# Altium PCB FIT_TDC_ADC.PcbDoc (part 7 of 10) (continued)
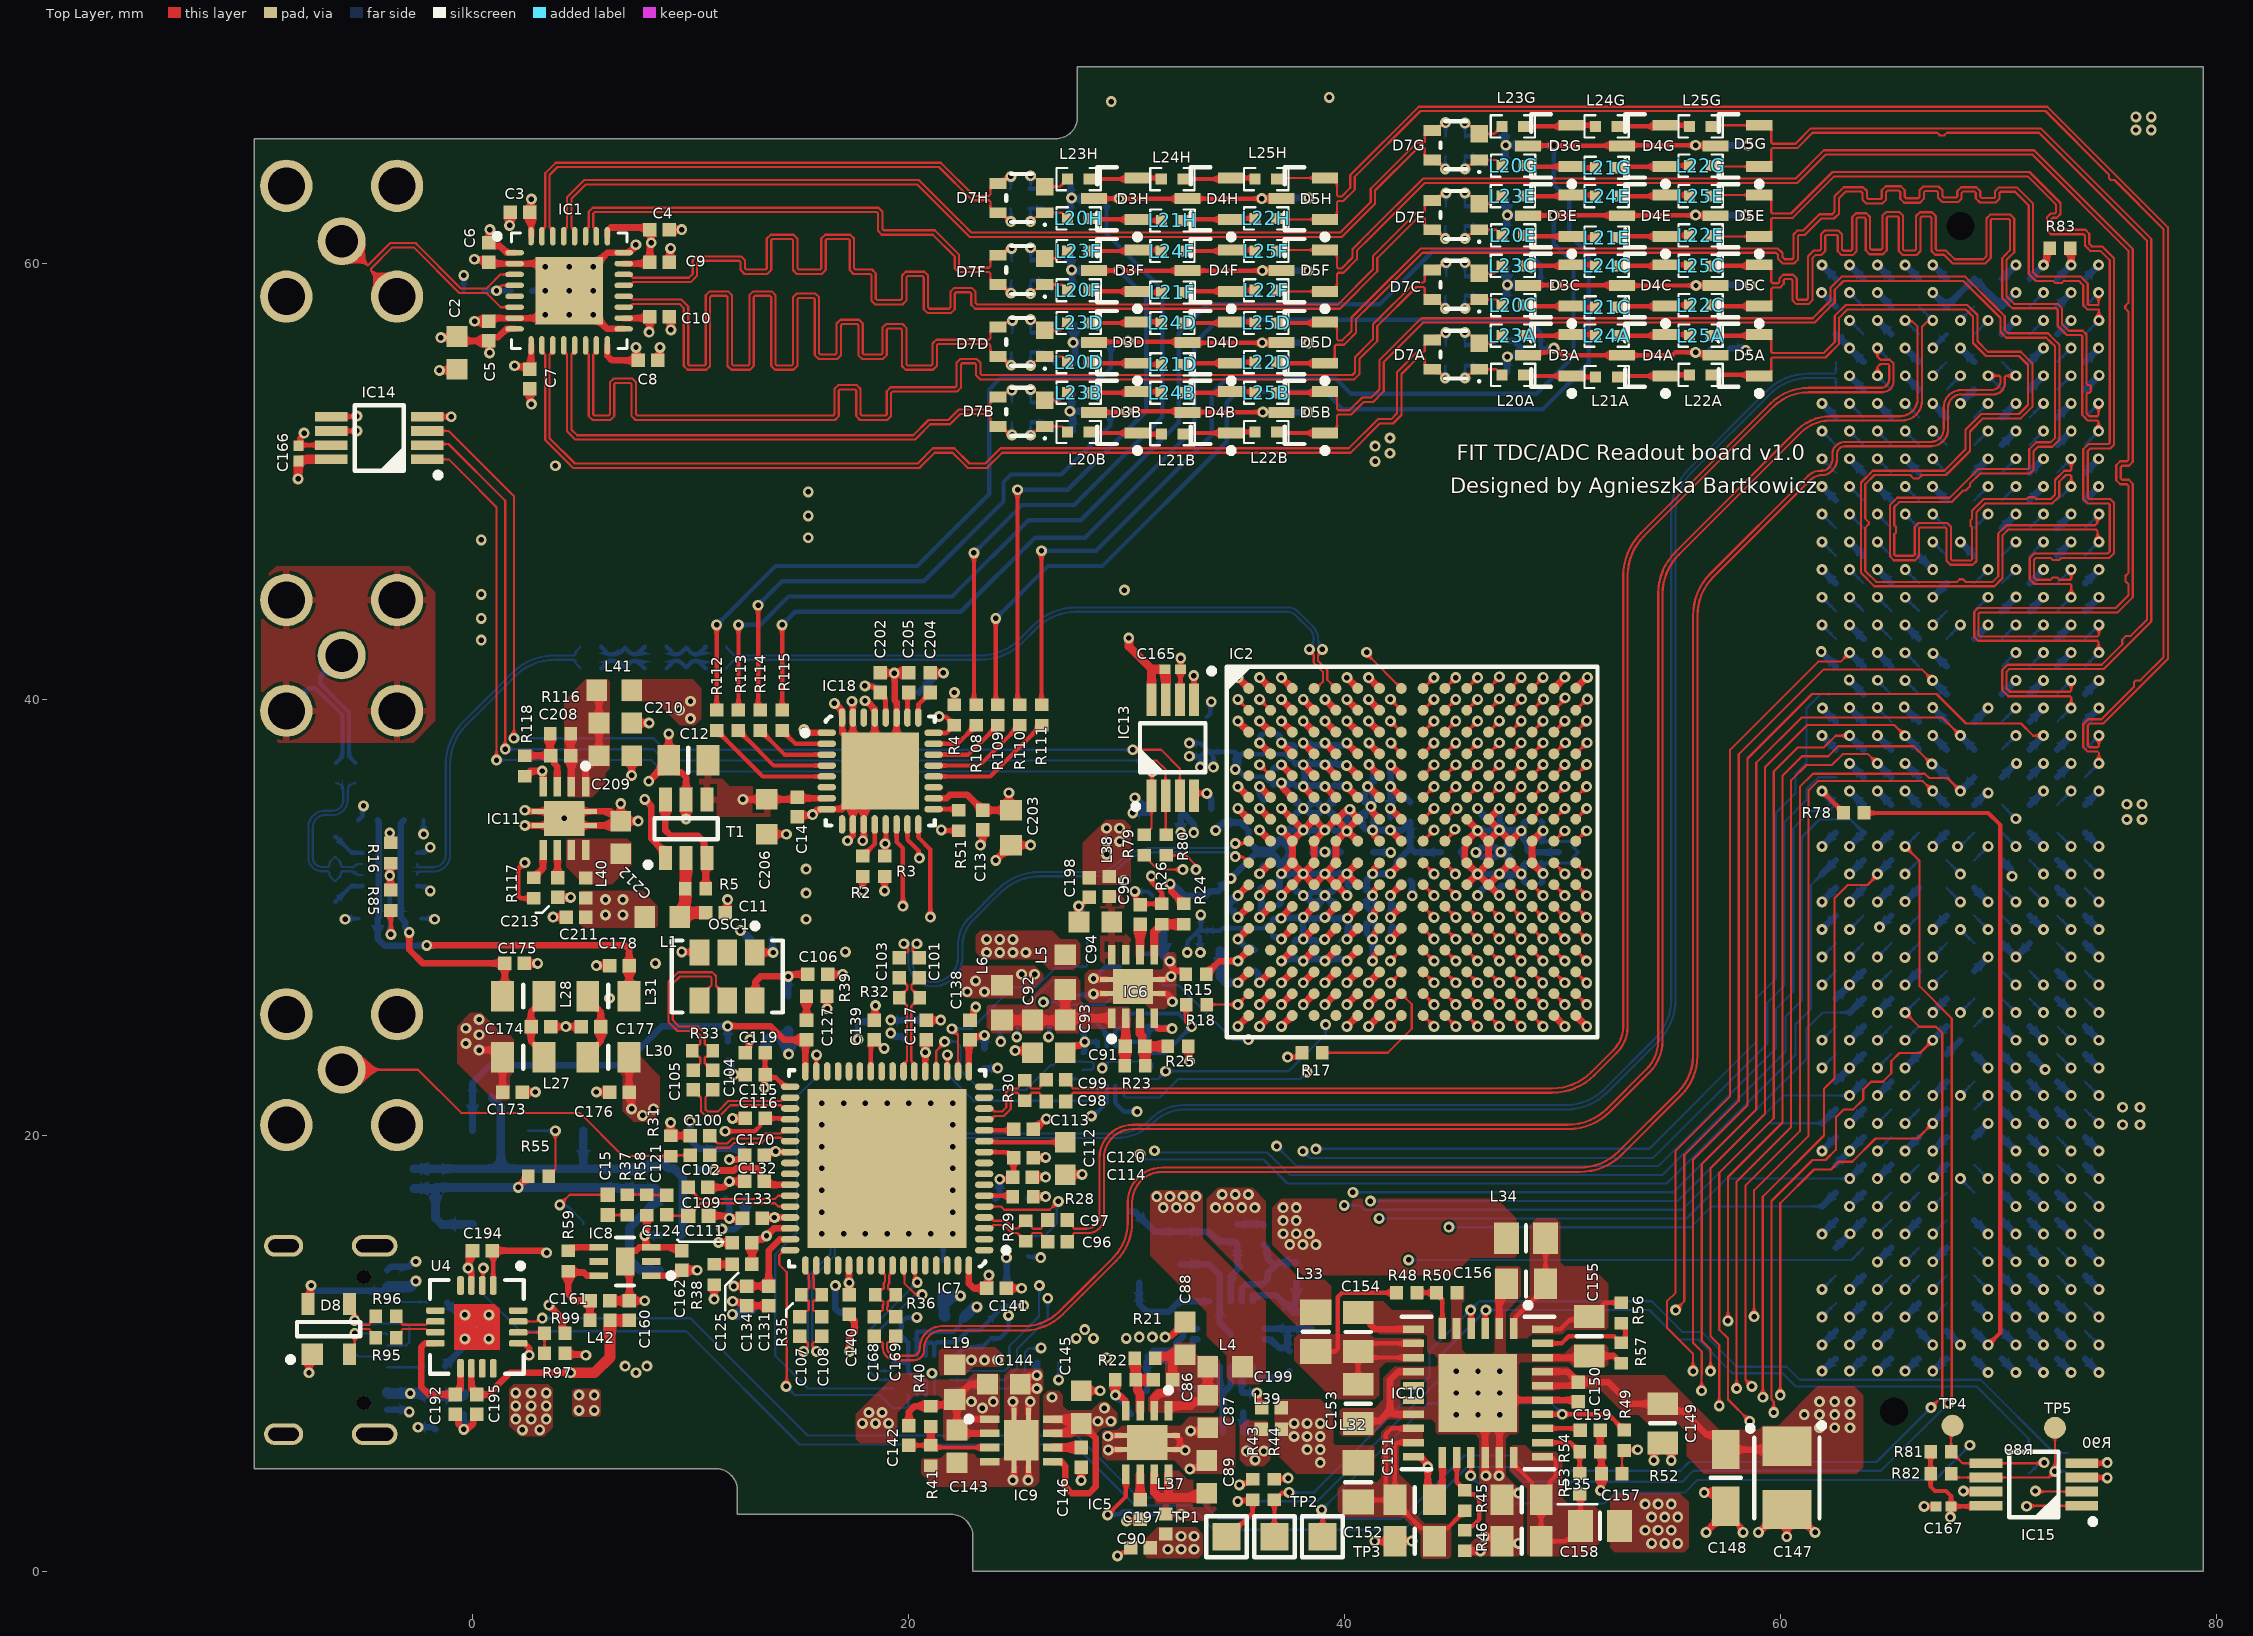
[diagram p0: Top Layer view]
## Nets (pads, with @x,y where several pads share a name; then routed paths per layer and width w, separated by ;. In a path a pad name is that pad's centre, name@x,y a point inside that pad or via, vN(x,y) a via of type N, cw(c..) or ccw(c..) an arc to the next point about the centre after c; other vN are vias at no path point) (continued)
  Bottom Layer w0.3: J5.A1-B12@-3.91,7.4 -3,7.4 v1(-2.9,7.3) ; J5.B1-A12@-3.91,13.8 -3.76,13.95 -2.95,13.95 -2.7,14.2 v1(-2.6,14.2) ; v1(-2.5,6.6) -1.8,6.6 C200.1@-1.7,6.5 ; R98.2@-1.26,9.4 -1.26,9.42 -0.388,10.292 -0.388,10.612 v3(-0.35,10.65) ; R100.2@-1.16,12.3 -1.16,12.28 -0.668,11.788 -0.388,11.788 v3(-0.35,11.75) ; v1(-0.4,6.5) C193.1@-0.4,7.2 ; R1.1@2.74,58.729 2.742,58.727 3.332,58.727 v3(3.335,58.724) ; v1(7.9,15.4) L26.2@8.64,15.4 ; v1@11.234,15.074 v1(11.285,15.074) ; C129.1@11.62,17.069 11.78,16.909 11.78,16.739 11.785,16.734 v1(11.785,16.174) ; C126.1@11.7,23.4 11.86,23.24 11.86,22.953 11.985,22.828 v1(11.985,22.774) ; v1@12.323,29.336 v1(12.285,29.374) 12.321,29.374 12.561,29.134 12.645,29.134 12.785,28.994 R34.1@12.785,28.974 ; v1(19.185,24.674) 19.33,24.529 19.66,24.529 C130.1@19.82,24.369 ; C201.1@20.5,40.3 20.5,40.325 20.825,40.65 20.85,40.65 21.362,41.162 21.562,41.162 v1(21.6,41.2) ; C118.2@25.485,17.074 25.585,17.174 v1(26.285,17.174) ; v1(25.885,8.974) 25.9,8.989 R93.1@25.9,9.559 ; R42H.1@27.4,62.2 27.425,62.225 27.425,62.872 27.48,62.927 v3(27.48,62.981) ; R47H.1@27.4,63.7 27.442,63.658 27.442,63.019 v3(27.48,62.981) ; R47F.1@27.44,60.5 27.44,59.775 27.48,59.735 v3(27.48,59.681) v3@27.5,59.661 ; R42F.1@27.5,58.8 v3@27.5,59.661 ; R42B.1@27.54,52.3 27.54,53.006 27.4,53.146 v3(27.4,53.2) ; R47B.1@27.54,54 27.481,53.941 27.481,53.335 27.4,53.254 v3(27.4,53.2) ; R47D.1@27.6,57.2 27.6,56.454 27.55,56.404 v1(27.55,56.35) ; R42D.1@27.64,55.4 27.64,56.206 27.55,56.296 v1(27.55,56.35) ; C188F.1@28.18,59.65 27.511,59.65 v3@27.5,59.661 ; C188H.1@28.18,62.95 27.511,62.95 v3(27.48,62.981) ; C188B.1@28.35,53.2 v3(27.4,53.2) ; C188D.1@28.384,56.387 28.347,56.35 v1(27.55,56.35) ; v1(29.485,8.074) 30.04,7.519 30.04,7.36 C196.1@30.2,7.2 ; v1(30.285,34.774) C63.1@31.085,34.774 v1(30.385,35.474) ; C24.1@30.935,8.274 30.935,9.609 30.985,9.659 L29.2@31.935,9.659 ; C185.1@30.985,24.974 31.112,24.847 31.112,24.886 31.145,24.919 32.05,24.919 v1(32.089,24.88) ; C22.1@32.485,14.074 C23.1@33.785,14.074 34.285,13.574 34.285,11.374 IC4.11@34.785,10.874 ; IC4.11@33.235,10.624 33.045,10.624 33.035,10.614 33.035,10.424 32.709,10.099 L29.2@32.174,10.099 ; IC4.11@33.235,11.124 32.761,11.124 32.585,10.949 32.585,10.75 32.409,10.574 32.385,10.574 32.285,10.474 32.285,10.209 L29.2@32.174,10.099 ; v1(33.685,35.674) 33.685,35.62 33.885,35.42 C62.1@33.885,34.974 ; v1(35.104,29.985) 35.104,30.039 34.703,30.44 C61.1@34.703,30.556 34.703,30.57 35.104,30.971 v1(35.104,30.985) ; IC4.2@35.285,9.374 35.285,8.224 C180.1@35.335,8.174 v1(35.985,8.174) ; R14.1@35.885,27.534 35.905,27.534 36.045,27.394 36.045,27.098 36.104,27.039 v1(36.104,26.985) ; v1@36.104,30.039 36.17,30.105 36.17,30.469 36.17,30.494 C45.1@36.245,30.569 ; v1(36.104,31.985) 36.104,32.039 36.22,32.155 36.22,32.294 36.295,32.369 C55.1@36.32,32.369 ; v1(36.104,35.985) 36.128,35.961 36.128,35.561 36.22,35.469 36.22,35.444 36.295,35.369 C51.1@36.32,35.369 ; C58.1@36.22,31.369 36.217,31.369 36.142,31.294 36.142,31.024 v1(36.104,30.985) 36.104,30.931 36.17,30.865 36.17,30.644 C45.1@36.245,30.569 ; C45.1@36.27,30.569 C45.1@36.245,30.569 ; IC4.11@36.335,10.624 36.525,10.624 36.535,10.614 36.622,10.614 37.002,10.234 37.325,10.234 C21.1@37.485,10.074 37.385,10.174 37.385,11.024 C25.1@37.485,11.124 ; IC4.11@36.335,11.124 C25.1@37.485,11.124 ; C34.1@36.72,29.169 36.72,29.144 36.795,29.069 36.966,29.069 37.05,28.985 v1(37.104,28.985) ; C43.1@36.72,36.769 36.72,36.794 36.795,36.869 36.934,36.869 37.05,36.985 v1(37.104,36.985) ; C20.1@36.92,38.369 36.945,38.369 37.02,38.294 37.02,38.123 37.104,38.039 v1(37.104,37.985) 37.158,37.985 37.274,37.869 37.645,37.869 37.72,37.794 C40.1@37.72,37.769 ; v1(37.104,27.985) 37.158,27.985 37.242,28.069 37.645,28.069 C36.1@37.72,28.144 ; C36.1@37.72,28.169 C36.1@37.72,28.144 ; C59.1@37.72,31.269 37.72,31.244 37.795,31.169 37.866,31.169 38.05,30.985 v1(38.104,30.985) ; C52.1@37.72,34.669 37.72,34.694 37.795,34.769 37.834,34.769 38.05,34.985 v1(38.104,34.985) ; C44.1@37.72,35.369 37.72,35.344 37.795,35.269 37.82,35.269 v1(38.104,34.985) ; C189B.1@37.758,53.15 37.765,53.157 38.323,53.157 v3(38.33,53.164) ; C189D.1@37.758,56.35 37.767,56.34 38.333,56.34 v3(38.343,56.331) ; C189F.1@37.758,59.639 37.76,59.642 38.329,59.642 v3(38.332,59.645) ; C189H.1@37.78,62.981 37.783,62.983 38.36,62.983 v3(38.362,62.985) ; v1(38.104,37.985) 38.142,37.947 38.442,37.947 38.52,37.869 38.545,37.869 C32.1@38.62,37.794 ; C181.1@38.485,11.124 C25.1@37.485,11.124 ; C60.1@38.52,32.969 38.528,32.977 39.091,32.977 v1(39.099,32.985) 39.804,32.985 C78.1@39.82,32.969 ; C41.1@38.62,30.569 C41.1@38.62,30.594 ; C57.1@38.62,31.269 C57.1@38.62,31.244 ; C49.1@38.62,34.669 C49.1@38.62,34.694 ; C39.1@38.62,35.369 C39.1@38.62,35.344 ; C32.1@38.62,37.769 C32.1@38.62,37.794 ; C33.1@38.72,28.169 C33.1@38.72,28.144 ; C42.1@39.52,30.569 39.52,30.594 39.445,30.669 39.415,30.669 v1(39.099,30.985) ; C54.1@39.52,31.269 39.52,31.244 39.445,31.169 39.291,31.169 39.107,30.985 v1(39.099,30.985) ; C46.1@39.52,34.669 39.52,34.694 39.445,34.769 39.369,34.769 39.153,34.985 v1(39.099,34.985) ; C35.1@39.52,35.369 39.52,35.344 39.445,35.269 39.383,35.269 v1(39.099,34.985) ; C37.1@39.62,37.769 C37.1@39.62,37.794 ; C30.1@39.72,28.169 C30.1@39.72,28.144 ; v1(40.104,27.985) 40.05,27.985 39.966,28.069 39.795,28.069 C30.1@39.72,28.144 ; v1(40.104,37.985) 40.05,37.985 39.934,37.869 39.695,37.869 C37.1@39.62,37.794 ; C31.1@40.82,35.569 C31.1@40.845,35.569 ; C38.1@40.92,29.569 C38.1@40.945,29.569 ; C56.1@40.92,30.569 C56.1@40.945,30.569 ; C53.1@40.92,31.369 C53.1@40.945,31.369 ; v1(41.121,36.989) 41.121,36.935 41.32,36.736 41.32,36.444 C84.1@41.395,36.369 ; v1(41.285,27.984) v1(41.285,28.984) ; C81.1@41.42,29.644 41.42,29.669 41.323,29.766 41.323,29.947 41.32,29.95 v1(41.285,29.985) ; C80.1@41.42,34.569 C80.1@41.398,34.569 ; C83.1@41.42,35.569 C83.1@41.395,35.569 ; C84.1@41.42,36.369 C84.1@41.395,36.369 ; C85.1@41.52,28.569 41.495,28.569 41.42,28.644 41.42,28.669 41.323,28.766 41.323,28.946 v1(41.285,28.984) ; C81.1@41.52,29.569 41.495,29.569 41.42,29.494 41.42,29.173 41.285,29.038 v1@41.285,28.995 ; C82.1@41.52,30.569 C82.1@41.495,30.569 ; C75.1@44.42,32.969 43.22,32.969 C77.1@43.02,33.169 ; v1(46.02,32.966) v1@46.074,32.966 ; v1(46.104,30.985) 46.104,31.039 46.32,31.255 46.32,31.294 46.395,31.369 C68.1@46.42,31.369 ; v1(46.104,34.985) 46.104,34.931 46.32,34.715 46.32,34.644 46.395,34.569 C73.1@46.42,34.569 ; C74.1@46.62,32.669 C74.1@46.62,32.694 ; C67.1@46.62,33.269 C67.1@46.62,33.244 ; R47A.1@47.34,56.6 47.34,56.58 47.48,56.44 47.76,56.44 C188A.1@48.1,56.1 47.738,55.738 47.508,55.738 v3(47.47,55.7) 47.455,55.685 47.455,55.015 R42A.1@47.44,55 ; R47G.1@47.34,66.2 47.34,65.514 47.4,65.454 v3(47.4,65.4) ; R42G.1@47.37,64.5 47.37,65.37 v3(47.4,65.4) ; v3@47.4,59.1 47.4,59.07 v3@47.44,59.03 ; R42C.1@47.44,58.2 47.44,58.97 v3(47.47,59) ; R47C.1@47.44,59.8 v3@47.44,59.03 ; R42E.1@47.44,61.4 47.44,62.17 v3(47.47,62.2) ; R47E.1@47.44,63 47.44,62.23 v3(47.47,62.2) ; C70.1@47.62,32.669 47.62,32.694 47.545,32.769 47.44,32.769 v1@47.224,32.985 ; C71.1@47.62,33.269 47.62,33.244 47.545,33.169 47.408,33.169 v1@47.224,32.985 ; C188C.1@48.1,59 v3(47.47,59) ; C188E.1@48.1,62.2 47.64,62.2 v3(47.47,62.2) ; C188G.1@48.1,65.4 v3(47.4,65.4) ; C65.1@49.02,31.569 49.066,31.615 49.066,31.951 v1(49.104,31.989) 49.066,32.028 49.066,32.424 C69.1@49.02,32.469 ; C72.1@49.02,33.469 49.066,33.515 49.066,33.921 v1(49.104,33.96) ; C66.1@49.02,34.369 49.066,34.324 49.066,33.998 v1@49.097,33.967 ; C189A.1@57.7,56.1 58.3,56.1 v3(58.4,56) ; C189C.1@57.7,59 v3(58.6,59) ; C189E.1@57.7,62.2 v3(58.4,62.2) ; C189G.1@57.7,65.4 v3(58.5,65.4) ; v1(61.866,42.173) 61.866,42.163 J4.k15@62.535,41.494 ; v1(61.885,58.639) 61.9,58.639 J4.k2@62.535,58.004 ; v1(61.9,10.379) J4.k39@62.535,11.014 ; v1(61.9,29.429) J4.k24@62.535,30.064 ; v1(61.9,33.239) J4.k21@62.535,33.874 ; v1(61.9,38.319) J4.k18@62.535,37.684 ; v1(61.9,45.939) J4.k12@62.535,45.304 ; v1(61.9,49.749) J4.k9@62.535,49.114 ; v1(61.9,53.559) J4.k6@62.535,52.924 ; J4.k36@62.535,14.824 63.183,15.472 v1(63.193,15.472) 63.193,15.482 J4.j35@63.805,16.094 ; J4.k33@62.535,18.634 v1(63.17,19.269) J4.j32@63.805,19.904 ; J4.k30@62.535,22.444 v1(63.17,23.079) J4.j29@63.805,23.714 ; J4.k27@62.535,26.254 v1(63.17,26.889) J4.j26@63.805,27.524 ; J4.k3@62.535,56.734 v1(63.17,56.099) J4.j4@63.805,55.464 ; v1(63.17,9.174) 63.202,9.174 63.772,9.744 J4.j40@63.805,9.744 ; v1(63.17,11.649) J4.j38@63.805,12.284 ; v1(63.17,30.699) J4.j23@63.805,31.334 ; v1(63.17,35.779) J4.j20@63.805,35.144 ; v1(63.17,39.609) 63.17,39.589 J4.j17@63.805,38.954 ; v1(63.17,43.399) J4.j14@63.805,42.764 ; v1(63.17,47.209) J4.j11@63.805,46.574 ; v1(63.17,51.019) J4.j8@63.805,50.384 ; v1(63.17,54.829) J4.j5@63.805,54.194 ; v1(63.17,59.909) J4.j1@63.805,59.274 ; v1(64.437,14.186) J4.h36@65.075,14.824 ; v1(64.44,10.379) J4.h39@65.075,11.014 ; v1(64.44,17.999) J4.h33@65.075,18.634 ; v1(64.44,21.809) J4.h30@65.075,22.444 ; v1(64.44,25.619) J4.h27@65.075,26.254 ; v1(64.44,33.251) 64.452,33.251 J4.h21@65.075,33.874 ; v1(64.44,38.319) J4.h18@65.075,37.684 ; v1(64.44,42.129) J4.h15@65.075,41.494 ; v1(64.44,45.939) J4.h12@65.075,45.304 ; v1(64.44,49.749) J4.h9@65.075,49.114 ; v1(64.44,53.559) J4.h6@65.075,52.924 ; v1(64.44,57.369) J4.h3@65.075,56.734 ; v1(64.536,29.542) 64.552,29.542 J4.h24@65.075,30.064 ; v1(65.673,39.631) 65.673,39.626 J4.g17@66.345,38.954 ; v1(65.71,9.174) 65.742,9.174 66.312,9.744 J4.g40@66.345,9.744 ; v1(65.71,11.649) J4.g38@66.345,12.284 ; v1(65.71,15.459) J4.g35@66.345,16.094 ; v1(65.71,19.269) J4.g32@66.345,19.904 ; v1(65.71,23.079) J4.g29@66.345,23.714 ; v1(65.71,26.889) J4.g26@66.345,27.524 ; v1(65.71,35.779) J4.g20@66.345,35.144 ; v1(65.71,43.399) J4.g14@66.345,42.764 ; v1(65.71,56.099) J4.g4@66.345,55.464 ; v1(65.71,59.909) J4.g1@66.345,59.274 ; v1(65.712,30.71) 65.721,30.71 J4.g23@66.345,31.334 ; v1(65.72,51.019) 65.72,51.009 J4.g8@66.345,50.384 ; v1(65.72,54.829) 65.72,54.819 J4.g5@66.345,54.194 ; J4.g11@66.345,46.574 v1(66.98,45.939) ; v1(66.977,49.746) 66.983,49.746 J4.f9@67.615,49.114 ; v1(66.98,14.189) J4.f36@67.615,14.824 ; v1(66.98,21.809) J4.f30@67.615,22.444 ; v1(66.98,25.619) J4.f27@67.615,26.254 ; v1(66.98,29.429) J4.f24@67.615,30.064 ; v1(66.98,33.239) J4.f21@67.615,33.874 ; v1(66.98,38.319) J4.f18@67.615,37.684 ; v1(66.98,44.669) J4.f12@67.615,45.304 ; v1(66.98,53.559) J4.f6@67.615,52.924 ; v1(66.98,58.639) J4.f2@67.615,58.004 J4.e1@68.885,59.274 J4.d2@70.155,58.004 v1(70.79,58.639) ; v1(66.999,42.098) 67.011,42.098 J4.f15@67.615,41.494 ; v1(67.013,18.054) 67.034,18.054 J4.f33@67.615,18.634 ; J4.f39@67.615,11.014 v1(68.25,10.379) ; v1(68.25,47.209) J4.e11@68.885,46.574 ; v1(68.25,53.559) J4.e5@68.885,54.194 ; v1(68.25,56.099) J4.e4@68.885,55.464 ; J4.e40@68.885,9.744 v1(69.52,9.109) ; J4.e38@68.885,12.284 v1(69.504,11.665) ; J4.e35@68.885,16.094 v1(69.52,15.459) ; J4.e32@68.885,19.904 v1(69.52,20.539) ; J4.e29@68.885,23.714 v1(69.52,23.079) ; J4.e26@68.885,27.524 v1(69.52,28.159) ; J4.e23@68.885,31.334 v1(69.52,30.699) ; J4.e20@68.885,35.144 69.394,35.654 69.482,35.654 v1(69.52,35.692) ; J4.e17@68.885,38.954 v1(69.52,39.589) ; J4.e14@68.885,42.764 v1(69.52,43.399) ; J4.e8@68.885,50.384 v1(69.52,51.019) ; J4.d39@70.155,11.014 v1(70.79,10.379) ; J4.d37@70.155,13.554 v1(70.79,12.919) ; J4.d28@70.155,24.984 v1(70.79,24.349) ; J4.d25@70.155,28.794 v1(70.79,28.159) J4.c25@71.425,28.794 ; J4.d22@70.155,32.604 70.582,32.178 70.582,31.908 v1(70.62,31.869) ; J4.d19@70.155,36.414 70.79,37.049 v1(70.82,37.049) ; J4.d16@70.155,40.224 v1(70.79,40.859) ; J4.d13@70.155,44.034 70.792,44.671 v1(70.802,44.671) ; J4.d10@70.155,47.844 v1(70.79,48.479) ; J4.d7@70.155,51.654 v1(70.79,52.289) ; J4.d6@70.155,52.924 v1(70.79,53.559) ; J4.d3@70.155,56.734 v1(70.79,57.369) ; J4.c40@71.425,9.744 v1(72.06,9.109) ; J4.c38@71.425,12.284 v1(72.06,11.649) ; J4.c36@71.425,14.824 v1(72.06,14.189) ; J4.c33@71.425,18.634 72.06,17.999 v1(72.061,17.999) ; J4.c32@71.425,19.904 72.06,19.269 v1(72.061,19.269) ; J4.c29@71.425,23.714 72.131,23.008 v1(72.133,23.008) ; J4.c28@71.425,24.984 v1(72.047,24.362) ; J4.c24@71.425,30.064 v1(72.06,29.429) ; J4.c21@71.425,33.874 v1(72.06,33.239) ; J4.c20@71.425,35.144 v1(72.06,35.779) ; J4.c17@71.425,38.954 v1(72.06,39.589) ; J4.c16@71.425,40.224 v1(72.06,40.859) ; J4.c13@71.425,44.034 v1(72.06,44.669) ; J4.c12@71.425,45.304 v1(72.06,45.939) ; J4.c9@71.425,49.114 v1(72.06,49.749) ; J4.c8@71.425,50.384 v1(72.06,51.019) ; J4.c5@71.425,54.194 v1(72.06,54.829) ; J4.c4@71.425,55.464 v1(72.06,56.099) ; J4.c1@71.425,59.274 v1(72.06,59.909) ; J4.b39@72.695,11.014 v1(73.33,10.379) ; J4.b38@72.695,12.284 v1(73.33,11.649) ; J4.b35@72.695,16.094 v1(73.33,15.459) ; J4.b34@72.695,17.364 v1(73.33,16.729) ; J4.b31@72.695,21.174 v1(73.33,20.539) ; J4.b30@72.695,22.444 v1(73.33,21.809) ; J4.b27@72.695,26.254 v1(73.33,25.619) ; J4.b26@72.695,27.524 v1(73.33,26.889) ; J4.b23@72.695,31.334 v1(73.33,30.699) ; J4.b22@72.695,32.604 v1(73.33,31.969) ; J4.b19@72.695,36.414 v1(73.33,37.049) ; J4.b18@72.695,37.684 v1(73.33,38.319) ; J4.b15@72.695,41.494 v1(73.33,42.129) ; J4.b14@72.695,42.764 v1(73.33,43.399) ; J4.b11@72.695,46.574 v1(73.33,47.209) ; J4.b10@72.695,47.844 v1(73.33,48.479) ; J4.b7@72.695,51.654 v1(73.333,52.292) ; J4.b6@72.695,52.924 v1(73.33,53.559) ; J4.b3@72.695,56.734 v1(73.33,57.369) ; J4.b2@72.695,58.004 v1(73.33,58.639) ; J4.a40@73.965,9.744 v1(74.6,9.109) ; J4.a37@73.965,13.554 v1(74.6,12.919) ; J4.a36@73.965,14.824 v1(74.6,14.189) ; J4.a33@73.965,18.634 v1(74.6,17.999) ; J4.a32@73.965,19.904 v1(74.6,19.269) ; J4.a29@73.965,23.714 v1(74.6,23.079) ; J4.a28@73.965,24.984 v1(74.6,24.349) ; J4.a25@73.965,28.794 v1(74.6,28.159) ; J4.a24@73.965,30.064 v1(74.6,29.429) ; J4.a21@73.965,33.874 v1(74.6,33.239) ; J4.a20@73.965,35.144 v1(74.6,35.779) ; J4.a17@73.965,38.954 v1(74.6,39.589) ; J4.a16@73.965,40.224 v1(74.6,40.859) ; J4.a13@73.965,44.034 v1(74.6,44.669) ; J4.a12@73.965,45.304 v1(74.6,45.939) ; J4.a9@73.965,49.114 74.585,49.734 v1(74.585,49.749) ; J4.a8@73.965,50.384 74.585,51.004 v1(74.585,51.019) ; J4.a5@73.965,54.194 73.965,54.197 74.614,54.846 v1(74.614,54.848) ; J4.a4@73.965,55.464 74.585,56.084 v1(74.585,56.099) ; J4.a1@73.965,59.274 74.585,59.894 v1(74.585,59.909) ; L29.2@32.174,10.099 31.224,10.099 L29.2@30.985,9.859 31.935,9.859 L29.2@32.174,10.099 ; C36.1@37.72,28.144 37.795,28.069 37.966,28.069 38.05,27.985 v1(38.104,27.985) 38.158,27.985 38.242,28.069 38.645,28.069 C33.1@38.72,28.144 ; v1(38.104,30.985) 38.142,30.947 38.242,30.947 38.52,30.669 38.545,30.669 C41.1@38.62,30.594 ; v1(38.104,30.985) 38.142,31.024 38.374,31.024 38.52,31.169 38.545,31.169 C57.1@38.62,31.244 ; v1(38.104,34.985) 38.142,35.024 38.274,35.024 38.52,35.269 38.545,35.269 C39.1@38.62,35.344 ; v1(38.104,34.985) 38.158,34.985 38.374,34.769 38.545,34.769 C49.1@38.62,34.694 ; C41.1@38.62,30.594 38.695,30.669 38.783,30.669 v1(39.099,30.985) ; C57.1@38.62,31.244 38.695,31.169 38.861,31.169 39.045,30.985 v1(39.099,30.985) ; C49.1@38.62,34.694 38.695,34.769 38.848,34.769 39.064,34.985 v1(39.099,34.985) ; C39.1@38.62,35.344 38.695,35.269 38.72,35.269 38.966,35.024 39.06,35.024 v1(39.099,34.985) ; C32.1@38.62,37.794 38.695,37.869 38.934,37.869 39.05,37.985 v1(39.104,37.985) 39.158,37.985 39.274,37.869 39.545,37.869 C37.1@39.62,37.794 ; C33.1@38.72,28.144 38.795,28.069 38.961,28.069 39.045,27.985 v1(39.099,27.985) 39.153,27.985 39.237,28.069 39.645,28.069 C30.1@39.72,28.144 ; C31.1@40.845,35.569 40.92,35.644 40.92,35.669 41.02,35.769 41.02,35.947 v1(41.058,35.985) ; C31.1@40.845,35.569 40.92,35.494 40.92,35.35 v1(41.205,35.065) ; C38.1@40.945,29.569 41.02,29.494 41.02,29.26 v1@41.285,28.995 ; C38.1@40.945,29.569 41.02,29.644 41.02,29.669 41.285,29.934 v1(41.285,29.985) ; C56.1@40.945,30.569 41.02,30.644 41.02,30.71 41.285,30.975 v1(41.285,30.985) ; C56.1@40.945,30.569 41.02,30.494 41.02,30.469 41.247,30.243 41.247,30.024 v1(41.285,29.985) ; C53.1@40.945,31.369 41.02,31.294 41.02,31.261 41.285,30.996 v1(41.285,30.985) ; C53.1@40.945,31.369 41.02,31.444 41.02,31.71 41.285,31.975 v1(41.285,31.985) v1(42.104,31.985) 42.104,32.039 42.295,32.23 42.295,32.248 42.385,32.338 42.385,32.527 42.62,32.762 42.62,32.769 C77.1@43.02,33.169 ; v1(41.058,35.985) 41.058,35.999 41.32,36.261 41.32,36.294 C84.1@41.395,36.369 ; v1(41.058,35.985) 41.058,35.971 41.32,35.71 41.32,35.644 C83.1@41.395,35.569 ; v1(41.205,35.065) 41.205,35.07 41.32,35.184 41.32,35.494 C83.1@41.395,35.569 ; v1(41.205,35.065) 40.92,34.779 40.92,34.644 40.845,34.569 C48.1@40.82,34.569 40.82,34.161 40.957,34.024 41.247,34.024 v1(41.285,33.985) ; v1(41.205,35.065) 41.205,35.012 41.32,34.898 41.32,34.644 41.395,34.569 C80.1@41.398,34.569 ; v1(41.285,28.984) v1@41.285,28.995 ; v1(41.285,29.985) 41.323,30.024 41.323,30.373 41.42,30.469 41.42,30.494 C82.1@41.495,30.569 ; v1(41.285,30.985) 41.323,30.947 41.323,30.766 41.42,30.669 41.42,30.644 C82.1@41.495,30.569 ; v1(41.285,33.985) v1(42.104,33.985) 42.636,33.985 C79.1@43.02,34.369 C77.1@43.02,33.169 ; v1(41.285,33.985) 41.323,34.024 41.323,34.494 C80.1@41.398,34.569 ; v1@46.074,32.966 46.27,32.769 46.545,32.769 C74.1@46.62,32.694 ; v1@46.074,32.966 46.277,33.169 46.545,33.169 C67.1@46.62,33.244 ; C74.1@46.62,32.694 46.695,32.769 46.948,32.769 v1@47.164,32.985 ; C67.1@46.62,33.244 46.695,33.169 46.948,33.169 47.132,32.985 v1@47.164,32.985 ; v1@47.164,32.985 v1(47.169,32.985) v1@47.224,32.985 ; v3@47.44,59.03 v3(47.47,59)
  Bottom Layer w0.4: C26.1@31.685,29.274 31.685,28.274 v1(31.985,27.974) ; C29.1@34.285,28.474 34.285,27.274 34.574,26.985 v1(35.104,26.985)
  other v1: 45.12,7.169 46.12,7.169 47.12,7.169 45.12,8.169 46.12,8.169 47.12,8.169 45.12,9.169 46.12,9.169 47.12,9.169 29.985,10.674 30.585,10.734 31.185,10.734 16.02,15.469 17.02,15.469 18.02,15.469 19.02,15.469 20.02,15.469 21.02,15.469 16.02,16.469 22.02,16.469 16.02,17.469 22.02,17.469 16.02,18.469 22.02,18.469 16.02,19.469 22.02,19.469 16.02,20.469 22.02,20.469 16.02,21.469 17.02,21.469 18.02,21.469 19.02,21.469 20.02,21.469 21.02,21.469 22.02,21.469 6.285,26.274 8.385,27.874 17.1,28.4 15.3,29.9 15.3,31.1 15.3,32.2 0.4,42.7 0.4,43.7 0.4,44.8 0.4,47.3 15.4,47.4 15.4,48.4 15.4,49.5 3.8,50.7 29.3,67.4 39.3,67.6
  other v3: 0.75,10.65 0.75,11.75 4.435,57.624 4.435,58.724 5.535,58.724 4.435,59.824
GND_VXCO: C110.2 C122.1 C123.1 C128.1 C135.1 C136.1 L26.1 OSC2.3 | length 20.6
  Bottom Layer w0.4: C123.1@-2.7,18.45 1.3,18.45 ; C110.2@0.9,21.7 1.3,21.3 1.3,18.45 ; OSC2.3@5.08,20.2 5.08,18.47 5.1,18.45 ; L26.1@9.56,15.4 9.65,15.49 9.65,18.062 9.237,18.475 8.975,18.475 C128.1@8.7,18.75 8.51,18.56 7.81,18.56 C136.1@7.7,18.45 C135.1@6.7,18.45 5.1,18.45 ; 1.3,18.45 5.1,18.45
GTY_RX_CH_N1: D5A.1 J4.a11 L22A.2 | length 49
  Top Layer w0.1: D5A.1@59.02,54.819 59.37,54.819 59.57,55.019 59.57,55.611 59.628,55.669 62.063,55.669 62.685,56.291 62.685,57.491 63.068,57.874 68.485,57.874 68.829,57.53 68.829,56.33 69.426,55.733 70.933,55.733 71.348,55.318 71.348,53.486 70.937,53.074 69.202,53.074 69.085,52.957 68.602,52.474 68.485,52.357 68.485,51.457 67.502,50.474 64.227,50.474 64.11,50.357 63.802,50.049 63.685,49.932 63.685,45.789 64.299,45.174 68.232,45.174 68.485,45.174 69.808,45.174 69.925,45.291 70.068,45.434 70.185,45.552 70.185,47.516 70.443,47.774 74.469,47.774 74.542,47.701 74.542,47.668 74.542,47.267 v1(74.6,47.209)
  Top Layer w0.2: L22A.2@56.836,54.869 58.97,54.869 D5A.1@59.02,54.819
  Bottom Layer w0.1: J4.a11@73.965,46.574 v1(74.6,47.209)
GTY_RX_CH_N2: D5B.1 J4.b9 L22B.2 | length 73.7
  Top Layer w0.1: D5B.1@39.1,52.2 39.45,52.2 39.65,52.4 39.65,52.991 39.709,53.05 40.302,53.05 40.419,53.167 40.879,53.626 41.309,53.626 41.797,54.114 41.797,55.459 43.608,57.269 61.563,57.269 61.68,57.386 62.168,57.874 62.485,58.191 62.485,58.774 62.885,59.174 68.385,59.174 69.785,57.774 70.085,57.474 70.085,56.838 70.349,56.574 72.185,56.574 72.335,56.424 72.592,56.167 72.592,51.982 72.385,51.774 71.723,51.774 71.405,51.457 71.405,50.606 71.347,50.547 69.068,50.547 68.951,50.43 67.752,49.231 65.355,49.231 65.013,48.889 65.013,46.544 65.188,46.368 66.175,46.368 66.351,46.544 66.351,47.816 66.409,47.874 67.556,47.874 67.615,47.816 67.615,46.333 67.79,46.157 68.809,46.157 68.985,46.333 68.985,48.564 69.396,48.974 72.468,48.974 72.785,49.291 72.785,49.966 73.093,50.274 73.285,50.274 73.33,50.229 v1(73.33,49.749)
  Top Layer w0.2: L22B.2@36.916,52.25 36.966,52.2 D5B.1@39.1,52.2
  Bottom Layer w0.1: J4.b9@72.695,49.114 v1(73.33,49.749)
GTY_RX_CH_N3: D5C.1 J4.a7 L22C.2 | length 45.3
  Top Layer w0.1: D5C.1@59.02,58.019 59.37,58.019 59.57,58.219 59.57,58.811 59.628,58.869 59.885,58.869 59.969,58.869 60.145,59.045 60.145,59.207 60.203,59.265 60.485,59.265 60.544,59.207 60.544,58.289 60.72,58.114 61.281,58.114 61.457,58.289 61.457,60.223 61.609,60.374 61.875,60.374 62.051,60.55 62.051,61.231 62.109,61.29 62.562,61.29 62.621,61.231 62.621,60.538 62.797,60.362 63.309,60.362 63.485,60.538 63.485,62.026 63.543,62.084 63.846,62.084 63.905,62.026 63.905,60.58 64.081,60.404 64.694,60.404 64.87,60.58 64.87,62.078 64.929,62.137 65.363,62.137 65.421,62.078 65.421,60.547 65.597,60.371 66.239,60.371 66.415,60.547 66.415,62.073 66.473,62.132 66.861,62.132 66.92,62.073 66.92,60.553 67.095,60.378 67.498,60.378 67.784,60.091 67.901,59.974 69.384,59.974 69.642,60.233 69.642,61.962 69.701,62.021 70.46,62.021 70.518,61.962 70.518,60.579 70.281,60.342 70.164,60.225 70.164,58.393 70.633,57.924 72.626,57.924 72.714,57.836 72.714,57.111 73.13,56.696 73.776,56.696 73.834,56.637 73.834,54.231 73.834,53.024 74.084,52.774 74.526,52.774 74.585,52.716 v1(74.585,52.289)
  Top Layer w0.2: L22C.2@56.836,58.069 56.886,58.019 D5C.1@59.02,58.019
  Bottom Layer w0.1: J4.a7@73.965,51.654 74.585,52.274 v1(74.585,52.289)
GTY_RX_CH_N4: D5D.1 J4.a3 L22D.2 | length 52.4
  Top Layer w0.1: D5D.1@39.1,55.4 39.35,55.4 39.55,55.6 39.55,56.191 39.609,56.25 39.978,56.25 40.095,56.367 40.519,56.792 40.519,57.414 41.188,58.082 43.575,60.469 59.79,60.469 59.885,60.374 59.885,60.191 60.102,59.974 60.616,59.974 60.791,60.15 60.791,61.226 60.85,61.285 61.111,61.285 61.169,61.343 61.317,61.491 61.865,62.039 62.449,62.039 62.676,62.266 62.676,62.975 62.975,63.274 63.701,63.274 63.76,63.216 63.76,62.907 63.935,62.731 64.665,62.731 64.841,62.907 64.841,63.261 64.899,63.319 65.433,63.319 65.491,63.261 65.491,62.944 65.667,62.768 66.396,62.768 66.572,62.944 66.572,63.248 66.631,63.306 67.164,63.306 67.223,63.248 67.223,62.992 67.414,62.801 68.143,62.801 68.304,62.962 68.304,63.216 68.362,63.275 68.896,63.275 68.954,63.216 68.954,62.968 69.146,62.777 69.875,62.777 70.035,62.937 70.035,63.21 70.094,63.268 70.751,63.268 71.385,62.634 71.385,59.491 71.702,59.174 72.504,59.174 72.59,59.088 72.899,59.088 72.985,59.174 73.685,59.174 73.785,59.074 73.885,58.974 73.885,58.05 74.061,57.874 74.585,57.874 74.6,57.859 v1(74.6,57.369) v1@74.578,57.391
  Top Layer w0.2: L22D.2@36.916,55.45 36.966,55.4 D5D.1@39.1,55.4
  Bottom Layer w0.1: J4.a3@73.965,56.734 v1(74.6,57.369)
GTY_RX_CH_N5: D5E.1 J4.b13 L22E.2 | length 46.7
  Top Layer w0.1: L22E.2@56.836,61.269 56.886,61.219 D5E.1@59.02,61.219 59.37,61.219 59.57,61.419 59.57,62.011 59.628,62.069 60.563,62.069 62.468,63.974 71.337,63.974 72.64,62.672 72.64,62.332 72.581,62.273 72.395,62.273 72.22,62.097 72.22,61.497 72.395,61.321 73.901,61.321 73.959,61.263 73.959,60.8 74.085,60.674 74.202,60.558 74.668,60.558 75.095,60.131 75.095,51.75 75.036,51.691 74.119,51.691 73.885,51.457 73.885,49.174 73.985,49.074 74.085,48.974 75.036,48.974 75.095,48.916 75.095,46.767 75.002,46.674 72.785,46.674 72.609,46.674 71.629,46.674 71.426,46.471 71.426,45.493 71.645,45.274 72.385,45.274 72.609,45.274 73.285,45.274 73.33,45.229 v1(73.33,44.669)
  Bottom Layer w0.1: J4.b13@72.695,44.034 v1(73.33,44.669)
GTY_RX_CH_N6: D5F.1 J4.a15 L22F.2 | length 76.6
  Top Layer w0.1: L22F.2@36.916,58.75 36.966,58.7 D5F.1@39.1,58.7 39.45,58.7 39.65,58.9 39.65,59.491 39.709,59.55 39.948,59.55 40.565,60.167 40.565,60.555 41.263,61.252 43.679,63.669 60.763,63.669 62.068,64.974 71.539,64.974 75.953,60.56 75.953,58.174 75.808,58.029 75.808,57.92 75.953,57.774 75.953,50.962 75.895,50.903 75.576,50.903 75.4,50.728 75.4,50.032 75.576,49.856 75.883,49.856 75.953,49.785 75.953,45.774 75.825,45.646 75.825,45.403 75.953,45.274 75.953,44.749 75.379,44.174 69.056,44.174 68.88,43.999 68.88,42.85 69.056,42.674 74.526,42.674 74.585,42.616 74.585,42.144 v1(74.6,42.129)
  Bottom Layer w0.1: J4.a15@73.965,41.494 v1(74.6,42.129)
GTY_RX_CH_N7: D5G.1 J4.b17 L22G.2 | length 53.8
  Top Layer w0.1: L22G.2@56.836,64.469 56.886,64.419 D5G.1@59.02,64.419 59.37,64.419 59.57,64.619 59.57,65.211 59.628,65.269 60.763,65.269 61.468,65.974 67.185,65.974 67.309,65.851 67.503,65.851 67.627,65.974 71.855,65.974 76.806,61.024 76.806,43.642 76.062,42.898 75.845,42.898 75.671,42.723 75.671,42.507 74.738,41.574 70.411,41.574 70.169,41.333 70.169,40.397 70.436,40.131 73.271,40.131 73.33,40.072 v1(73.33,39.589)
  Bottom Layer w0.1: J4.b17@72.695,38.954 v1(73.33,39.589)
GTY_RX_CH_N8: D5H.1 J4.a19 L22H.2 | length 73.7
  Top Layer w0.1: L22H.2@36.916,62.05 36.966,62 D5H.1@39.1,62 39.45,62 39.65,62.2 39.65,62.791 39.709,62.85 39.948,62.85 40.465,63.367 40.465,63.955 43.479,66.969 72.148,66.969 75.064,64.053 75.064,63.884 75.145,63.803 75.314,63.803 77.563,61.554 77.563,41.915 76.504,40.855 76.304,40.855 76.214,40.765 76.214,40.566 74.723,39.074 74.102,39.074 73.885,38.857 73.885,37.791 74.088,37.588 74.541,37.588 74.6,37.53 v1(74.6,37.049)
  Bottom Layer w0.1: J4.a19@73.965,36.414 v1(74.6,37.049)